# Altium PCB Nuio_LeftKeyboard_Rev_E.PcbDoc (part 2 of 3)
Units mm, origin at the board's own origin, x right, y up, seen from the top; angles counter-clockwise.
Board outline 89.01 x 24.63 mm, 4 copper layers (Top Layer, GND1, GND2, Bottom Layer), stack 0.971 mm thick; 150 components, 103 nets, 610 pads, 449 vias.
Unrouted connection lines stored in the file: 24.
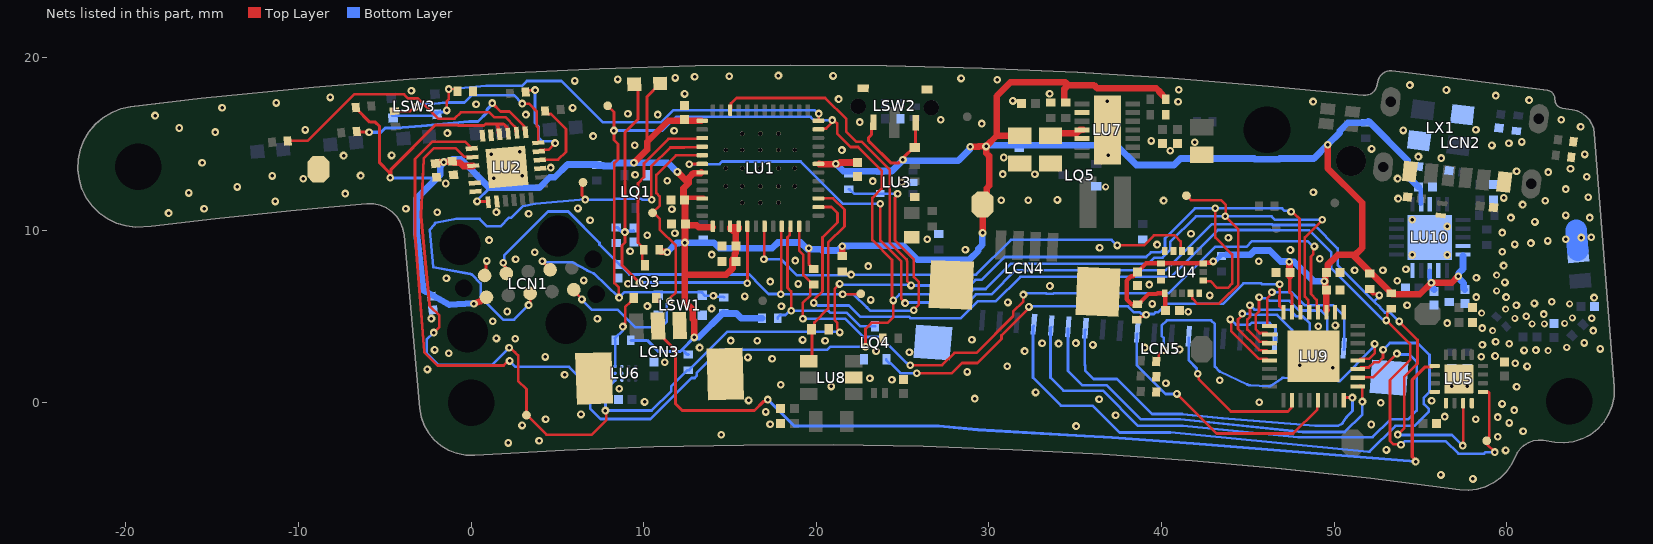
[diagram p4: the nets of this part, all layers, seen from the top]

## Part data (continued)
LR4 LR6 LR16 LR17 LR18 LR20 LR23 LR36 LR38 LR40 LR44 LR46 LR47 LR48: library part CMP-007-0354-15, "±1% 0.063W, 1/16W Chip Resistor 0402 (1005 Metric) Moisture Resistant Thick Film", Case Code (Imperial)=0402, Manufacturer=YAGEO, Manufacturer Part Number=RC0402FR-07100KL, Max Operating Temperature=155°C, Max Power Dissipation=63mW, Min Operating Temperature=-55°C, Resistance Tolerance=1%, Resistor Type="Thick Film", Temperature Coefficient=100ppm/°C, Voltage Rating=50V, Case/Package=0402, Construction=Rectangular, Depth=0.5mm, Features="Moisture Resistant", Height=0.016inch, Lead Free="Lead Free", Length=0.039inch, Military Standard=Not, Power Rating=63mW, Reach SVHC Compliant=No, RoHS Compliant=Yes, Series=RC, Termination=SMD/SMT, Tolerance=1%, Width=0.02inch
LR5 LR8 LR30 LR31 LR32 LR33 LR34 LR35 LR41: library part CMP-007-0405-16, "1k ±1% 0.063W, 1/16W Chip Resistor 0402 (1005 Metric) Moisture Resistant Thick FilmRES 1K OHM 1% 1/16W 0402", Manufacturer=Yageo, Manufacturer Part Number=RC0402FR-071KL, Package (Imperial)=0402, Package (Metric)=1005, Power=63mW, Resistance=1k, Supplier Part Number=311-1.00KLRCT-ND, Temperature Coefficient=100ppm/°C, Tolerance=1%, Composition="Thick Film", Height=400µm, Supplier=Digi-Key, Termination=SMD/SMT, Width=500µm
LR7: library part CMP-00007-24, "RES SMD 220K OHM 1% 1/10W 0402", Max Operating Temperature=155°C, Max Power Dissipation=100mW, Min Operating Temperature=-55°C, Package (Imperial)=0402, Package (Metric)=1005, Package Quantity=1, Power=63mW, Resistance=220k, Temperature Coefficient=100ppm/°C, Tolerance=1%, Voltage Rating=50V, Composition="Thick Film", Contact Plating=Tin, Depth=0.5mm, Features="Automotive AEC-Q200", Height=350µm, Lead Free="Lead Free", Length=1mm, Military Standard=Not, Mount="Surface Mount", Number of Terminations=2, Packaging="Tape and Reel", Power Rating=100mW, Radiation Hardening=No, REACH SVHC="No SVHC", Termination=SMD/SMT, Voltage Rating (DC)=50V, Weight=2.8E-05oz, Width=500µm
LR9 LR25: library part CMP-001-1262-04, "10 kOhms ±1% 0.063W, 1/16W Chip Resistor 0402 (1005 Metric) Anti-Sulfur, Automotive AEC-Q200, Moisture Resistant Thin Film", Case Code (Metric)=1005, Case/Package=0402, Manufacturer=Yageo, Manufacturer Part Number=AT0402FRE0710KL, Max Operating Temperature=155°C, Max Power Dissipation=63mW, Min Operating Temperature=-55°C, Resistance=10k, Supplier Part Number=YAG2104CT-ND, Temperature Coefficient=50ppm/°C, Tolerance=1%, Composition="Thin Film", Features="Moisture Resistant,Automotive AEC-Q200,Anti-Sulfur", Height=0.014inch, Length=0.039inch, Number of Terminations=2, Package (Imperial)=0402, Packaging="Tape and Reel", Supplier=Digi-Key, Width=0.02inch
LR10: library part CMP-001-1735-03, "47.5 kOhms ±1% 0.063W, 1/16W Chip Resistor 0402 (1005 Metric) Moisture Resistant Thick Film", Case Code (Imperial)=0402, Case Code (Metric)=1005, Manufacturer="Panasonic Electronic Components", Manufacturer Part Number=ERA-2ARB6041X, Max Operating Temperature=155°C, Max Power Dissipation=63mW, Min Operating Temperature=-55°C, Power Rating=62.5mW, Resistance=47.5k, Resistance Tolerance=1%, Resistor Type="Thick Film", Temperature Coefficient=100ppm/°C, Voltage Rating=50V, Case/Package=0402, Composition="Thin Film", Construction=Rectangular, Depth=0.5mm, Features="Moisture Resistant", Height=0.016inch, Lead Free="Lead Free", Length=1mm, Military Standard=Not, Number of Terminations=2, Package (Imperial)=0402, Packaging="Tape and Reel", REACH SVHC="No SVHC", RoHS Compliant=Yes, Series=RC, Size Code=0402, Termination=SMD/SMT, Tolerance=1%, Voltage Rating (DC)=50V, Width=0.02inch
LR11 LR12 LR28 LR29 LR39: library part CMP-007-0358-16, "10 kOhms ±1% 0.063W, 1/16W Chip Resistor 0402 (1005 Metric) Thin Film", Max Operating Temperature=155°C, Min Operating Temperature=-55°C, Package (Imperial)=0402, Package (Metric)=1005, Power=63mW, Resistance=10k, Tolerance=1%, Height=400µm, Length=1mm, Termination=SMD/SMT, Width=500µm
LR13: library part CMP-007-0458-14, "RES 3.9K OHM 1% 1/16W 0402", Operating Temperature="-55°C ~ 155°C", Package (Imperial)=0402, Package (Metric)=1005, Power=63mW, Resistance=3.9k, Temperature Coefficient=±100ppm/°C, Tolerance=1%, Height=400µm, Length=1mm, Termination=SMD/SMT
LR14 LR15: library part CMP-007-0525-17, "5.1 kOhms ±1% 0.1W, 1/10W Chip Resistor 0402 (1005 Metric) Automotive AEC-Q200 Thick Film", Manufacturer="Panasonic Electronic Components", Manufacturer Part Number=ERJ-2RKF5101X, Max Operating Temperature=155°C, Max Power Dissipation=100mW, Min Operating Temperature=-55°C, Package (Imperial)=0402, Power=63mW, Resistance=5.1k, Temperature Coefficient=100ppm/°C, Tolerance=1%, Voltage Rating=50V, Composition="Thick Film", Contact Plating=Tin, Depth=0.5mm, Height=350µm, Lead Free="Lead Free", Length=1mm, Military Standard=Not, Mount="Surface Mount", Power Rating=100mW, REACH SVHC="No SVHC", Termination=SMD/SMT, Voltage Rating (DC)=50V, Weight=2.8E-05oz, Width=500µm
LR19: library part CMP-007-0476-14, "330 Ohms ±1% 0.063W, 1/16W Chip Resistor 0402 (1005 Metric) Automotive AEC-Q200 Thick Film", Manufacturer Part Number=RC0402FR-07330RL, Operating Temperature="-55°C ~ 155°C", Package (Imperial)=0402, Package (Metric)=1005, Power=63mW, Resistance=330, Temperature Coefficient=±100ppm/°C, Tolerance=1%, Height=400µm, Length=1mm, Termination=SMD/SMT
LR21: library part CMP-00034-19, "1.8 kOhms ±0.1% 0.063W, 1/16W Chip Resistor 0402 (1005 Metric) Automotive AEC-Q200 Thin Film", Case Code (Imperial)=0402, Manufacturer="Panasonic Electronic Components", Manufacturer Part Number=ERA-2AEB182X, Max Operating Temperature=155°C, Max Power Dissipation=63mW, Min Operating Temperature=-55°C, Resistance Tolerance=0.1%, Resistor Type="Thin Film", Temperature Coefficient=25ppm/°C, Voltage Rating=50V, Voltage Rating (DC)=25V, Case/Package=0402, Construction=Rectangular, Contact Plating=Tin, Depth=0.5mm, Height=0.016inch, Lead Free="Lead Free", Length=0.039inch, Mounting Technology="Surface Mount", Power Rating=63mW, Reach SVHC Compliant=Unknown, RoHS Compliant=Yes, Series=ERA-2A, Termination=SMD/SMT, Tolerance=0.1%, Width=0.02inch
LR22 LR42 LR43 LR45: library part CMP-007-0298-18, "0 Ohms Jumper Chip Resistor 0402 (1005 Metric) Automotive AEC-Q200 Thick Film", Manufacturer="Stackpole Electronics Inc", Manufacturer Part Number=RMCF0402ZT0R00, Operating Temperature="-55°C ~ 155°C", Package (Imperial)=0402, Package (Metric)=1005, Power=63mW, Resistance=0, Tolerance=0%, Height=400µm, Length=1mm, Termination=SMD/SMT
LR24: library part CMP-001-1995-03, "1 MOhms ±1% 0.063W, 1/16W Chip Resistor 0402 (1005 Metric) Moisture Resistant Thick Film", Case/Package=0402, Manufacturer=YAGEO, Manufacturer Part Number=RC0402FR-071ML, Max Operating Temperature=155°C, Max Power Dissipation=63mW, Min Operating Temperature=-55°C, Resistance=1M, Resistance Tolerance=1%, Resistor Type="Thick Film", Temperature Coefficient=100ppm/°C, Voltage Rating=50V, Construction=Rectangular, Depth=0.5mm, Features="Moisture Resistant", Height=0.32mm, Lead Free="Lead Free", Length=1mm, Military Standard=Not, Power Rating=63mW, REACH SVHC=Unknown, RoHS Compliant=Yes, Series=RC, Size Code=0402, Technology="THICK FILM", Termination=SMD/SMT, Tolerance=1%
LR26: library part CMP-001-2304-01, "RES 13 OHM 1% 1/16W 0402", Case Code (Metric)=1005, Case/Package=0402, Max Operating Temperature=155°C, Max Power Dissipation=63mW, Min Operating Temperature=-55°C, Operating Temperature="-55°C ~ 155°C", Power Rating=62.5mW, Temperature Coefficient=100ppm/°C, Tolerance=1%, Height=406.4µm, Length=1mm, Package (Imperial)=0402, Package (Metric)=1005, Power=63mW, Resistance=13, Termination=SMD/SMT, Width=500µm
LR27: library part CMP-001-2044-03, "RES 180K OHM 1% 1/16W 0402", Max Operating Temperature=155°C, Min Operating Temperature=-55°C, Operating Temperature="-55°C ~ 155°C", Package (Imperial)=0402, Package (Metric)=1005, Power=63mW, Temperature Coefficient=100ppm/°C, Tolerance=1%, Height=400µm, Length=1mm, Resistance=180k, Termination=SMD/SMT, Width=500µm
LR37: library part CMP-00080-14, "RES SMD 560 OHM 1% 1/16W 0402", Package (Imperial)=0402, Package (Metric)=1005, Power=63mW, Temperature Coefficient=100ppm/°C, Tolerance=1%, Height=400µm, Length=1mm, Resistance=560, Termination=SMD/SMT
LR49: library part CMP-00082-14, "RES SMD 22K OHM 1% 1/16W 0402", Package (Imperial)=0402, Package (Metric)=1005, Power=63mW, Resistance=22k, Tolerance=1%, Height=400µm, Length=1mm, Termination=SMD/SMT
LSW1 LSW3: library part CMP-00343-02, "2.8x1.9mm Compact Type with Projection Surface Mount SKSV Series Tact Switch", Current Rating="50 mA", Manufacturer="Alps Alpine", Voltage Rating (DC)="12 VDC", Manufacturer Part Number=SKSVCAE010, RoHS Compliant=Yes
LSW2: library part CMP-00359-04, "SWITCH TACTILE SPST-NO 0.05A 12V", Current Rating=50mA, Max Operating Temperature=85°C, Min Operating Temperature=-35°C, Operating Force=160gf, Package Quantity=1, Actuator Length=0.85mm, Actuator Material=Polyphthalamide, Actuator Type=Standard, Contact Material="Stainless Steel,Silver", Contact Plating="Stainless Steel,Silver", Electrical Life=100000Cycles, Mechanical Life=100000Cycles, Mount="Surface Mount", Packaging="Tape and Reel", Series=TL3340, Switch Function=Off-Mom, Switch Travel=0.2mm
LTP1 LTP6 LTP9 LTP11 LTP13: library part CMP-001-0557-04, "Test Point- Current one"
LTP2 LTP3 LTP4 LTP5 LTP7 LTP8 LTP10 LTP12 LTP14 LTP15 LTP16: library part CMP-001-1043-02, "MTK-TP20MIL"
LU1: library part CMP-001-1982-03, "Rx Txrx Mod Wifi Surface Mount", Case/Package=QFN, Frequency=2.5GHz, Manufacturer="Espressif Systems", Max Frequency=40MHz, Max Operating Temperature=85°C, Min Operating Temperature=-40°C, Operating Frequency="2.4 GHz to 2.5 GHz", Operating Supply Voltage=3.6V, Output Power (dBm)=20dBm, Package Quantity=2000, Data Bus Width=32b, Data Rate=150Mbps, Height=0.94mm, Interface=I2C,SPI,I2S,UART, Length=7mm, Manufacturer Part Number=ESP32-PICO-D4, Memory Size=4MB, Memory Type=FLASH, Mount="Surface Mount", Number of ADC Channels=10, RAM Size=520KB, Sensitivity=-97dBm, Series=ESP32, Width=7mm
LU2: library part CMP-001-2127-03, "I/O Expander 16 I²C 400 kHz 24-TQFN (4x4)", Frequency=400kHz, Max Operating Temperature=85°C, Min Operating Temperature=-40°C, Interface=I2C, Mounting Technology="Surface Mount", Number of I/Os=16, Packaging="Cut Tape", RoHS Compliant=Yes, Series=-
LU3: library part CMP-001-2183-02, "LMV Series 5 V 1 nA SMT Single General Purpose, Low Voltage Comparator - SC-70", Case/Package=SC, Input Bias Current=1nA, Input Offset Voltage (Vos)=9mV, Manufacturer=onsemi, Max Operating Temperature=85°C, Max Supply Current=120uA, Max Supply Voltage=5V, Min Operating Temperature=-40°C, Min Supply Voltage=2.7V, Natural Thermal Resistance=280°C/W, Operating Supply Voltage=3V, Output Current=84mA, Package Quantity=3000, Quiescent Current=150uA, Voltage Gain=93.98dB, Halogen Free="Halogen Free", Height=1mm, Lead Free="Lead Free", Length=2.2mm, Manufacturer Part Number=LMV331SQ3T2G, Max Input Current=1nA, Number of Channels=1, Number of Elements=1, Packaging="Tape and Reel", Pins=5, Propagation Delay=1.5us, Radiation Hardening=No, Reach SVHC Compliant=No, RoHS Compliant=Yes, Series=-, Supply Current=120uA, Technology=CMOS, Type="General Purpose", Width=1.35mm
LU4: library part CMP-010-0047-05, "3-Axis Accelerometer", Case/Package=LGA, Manufacturer=STMicro, Max Operating Temperature=85°C, Max Supply Voltage=3.6V, Min Operating Temperature=-40°C, Min Supply Voltage=1.71V, MPN=LIS3DSH, Operating Supply Current=11uA, Operating Supply Voltage=2.5V, Package Quantity=1, Axis="X, Y, Z", Bandwidth=5kHz, Component Name=LIS3DHTR, Contact Plating=Gold, Depth=3mm, Height=1mm, Interface=I2C,SPI, Lead Free="Lead Free", Length=3mm, Max Supply Voltage (DC)=3.6V, Min Supply Voltage (DC)=1.71V, Number of Pins=16, Output Type=Digital, Packaging="Tape and Reel", Pin Count=16, Radiation Hardening=No, REACH SVHC="No SVHC", Resolution=16b, RoHS Compliant=Yes, Sensor Type="3 Axis", Series=-, Width=3mm
LU5: library part CMP-001-1983-03, "USB Friendly 0.5A Li-ion charger with power-Path, 10.5V OVP 16-VQFN -5 to 125", Battery Pack Voltage=4.2V, Case/Package=QFN, Manufacturer="Texas Instruments", Max Charge Current=500mA, Max Operating Temperature=125°C, Max Supply Voltage=10.2V, Min Operating Temperature=-5°C, Battery Chemistry=LITHIUM-ION, Fault Protection="Over Voltage,Over Temperature,Short Circuit,Reverse Current", Interface=USB, Lead Free="Lead Free", Manufacturer Part Number=BQ24232HARGTR, Mount="Surface Mount", Number of Cells=1, Packaging="Cut Tape", RoHS Compliant=Yes, Series=-
LU6: library part CMP-001-1998-02, "IC FUEL GAUGE LI-ION 1C 12WLCSP", Manufacturer=onsemi, Max Operating Temperature=85°C, Min Operating Temperature=-40°C, Interface=I2C, Manufacturer Part Number=LC709204FXE-01TBG, Mount="Surface Mount", Number of Cells=1
LU7: library part CMP-00353-03, "IC REG BCK BST ADJ 4A 14WDFN", Manufacturer="Richtek USA Inc.", Max Input Voltage=5.5V, Max Operating Temperature=85°C, Min Input Voltage=1.8V, Min Operating Temperature=-40°C, Output Current=4A, Switching Frequency=2.4MHz, Manufacturer Part Number=RT6154AGQW, ManufacturerPartNumbers=RT6154AGQW, Max Output Voltage=5.5V, Min Output Voltage=1.8V, Mount="Surface Mount", Number of Outputs=1, Number of Pins=14, Output Configuration=Positive, Output Type=Adjustable, REACH SVHC="No SVHC", RoHS Compliant=Yes, Synchronous Rectifier=Yes, Topology=Buck-Boost
LU8: library part CMP-001-2111-02, "IC LED DRVR RGLTR PWM TSOT23-6", Case/Package=SOT-23-6, Frequency=1.1MHz, Max Operating Temperature=85°C, Max Supply Voltage=5.5V, Min Operating Temperature=-40°C, Output Current per Channel=1.2A, Output Voltage=36.5V, Dimming=PWM, Mounting Technology="Surface Mount", Number of Outputs=1, Packaging="Cut Tape", Topology=Boost
LU9: library part CMP-001-2076-03, "Ultra low-voltage translating 24-bit Fm+ I²C-bus/SMBus I/O expander", Frequency=1MHz, Max Operating Temperature=85°C, Min Operating Temperature=-40°C, Interface=I2C, Mount="Surface Mount", Number of I/Os=24, Packaging="Tape and Reel", RoHS Compliant=Yes, Series=-
LU10: library part CMP-001-1993-05, "IC RF TXRX ISM>1GHZ 20VFQFN", Case/Package=QFN, Current - Receiving=13.5mA, Current - Transmitting=11.3mA, Frequency=2.4GHz, Manufacturer="Nordic Semiconductor ASA", Max Operating Temperature=85°C, Max Supply Voltage=3.6V, Min Operating Temperature=-40°C, Output Power (dBm)=0dBm, Package Quantity=1500, Data Rate=2Mbps, Depth=4mm, Interface=SPI, Length=4mm, Manufacturer Part Number=NRF24L01P-R7, Mount="Surface Mount", Packaging="Tape and Reel", Sensitivity=-94dBm, Series=-
LX1: library part CMP-001-2112-01, "CRYSTAL 16.0000MHZ 12PF SMD", Frequency=16MHz, Frequency Stability=+-30ppm, Frequency Tolerance=+-25ppm, Load Capacitance=12pF, Manufacturer="ECS Inc.", Package/Case=4-SMD, ESR="80 Ohms", Height=0.8mm, Manufacturer Part Number=ECS-160-12-33-AGN-TR3

## Free pads (board coordinates)
  round 2.2 hole 2.7: 1(-19.287,13.671) 1(0,0) 1(46.108,15.804) 1(63.611,0.079)
  round 1.75 hole 1.75 unplated: 1(50.98,14.007)

## Via types
v1: diameter 0.45, hole 0.203, Top Layer to Bottom Layer, tented both sides, 435 vias
v2: diameter 0.406, hole 0.203, Top Layer to Bottom Layer, tented both sides, 14 vias

## Nets (pads, with @x,y where several pads share a name; then routed paths per layer and width w, separated by ;. In a path a pad name is that pad's centre, name@x,y a point inside that pad or via, vN(x,y) a via of type N, cw(c..) or ccw(c..) an arc to the next point about the centre after c; other vN are vias at no path point)
3V3: LC1.1 LC2.1 LC3.1 LC4.1 LC5.1 LC6.1 LC8.1 LC9.1 LC11.1 LC13.1 LC14.1 LC30.1 LC31.1 LC33.1 LC34.1 LC35.1 LC36.1 LC37.1 LC38.1 LCN1.1 LQ2.1 LR1.1 LR2.1 LR3.1 LR4.1 LR6.1 LR9.1 LR11.2 LR12.1 LR16.1 LR17.2 LR18.2 LR20.1 LR23.1 LR24.1 LR29.1 LR38.1 LR39.1 LR40.1 LR44.1 LR47.1 LSW2.1 LSW2.3 LTP6.1 LU1.1 LU1.3 LU1.4 LU1.19 LU1.37 LU1.43 LU1.46 LU2.1 LU2.15 LU2.16 LU2.21 LU3.5 LU4.1 LU4.8 LU4.14 LU7.4 LU7.5 LU9.27 LU9.31 LU10.7 LU10.15 LU10.18 | length 223.5
  Top Layer w0.178: LR29.1@-6.671,17.106 -6.671,17.06 -5.867,16.256 -5.549,16.256 -5.295,16.002 -5.295,13.901 -4.726,13.332 -4.726,13.08 v1(-4.682,13.036) -4.633,13.085 -4.633,13.528 -2.068,16.093 -0.796,16.093 -0.767,16.063 0.751,16.063 0.838,16.15 1.524,16.15 ; v1(0.343,11.666) 0.943,11.666 LU2.1@0.994,11.615 ; LU2.16@1.653,15.548 1.572,15.629 1.572,15.959 1.524,16.007 1.524,16.15 ; LU2.15@2.152,15.592 2.081,15.847 2.07,15.964 1.884,16.15 1.524,16.15 ; 10.199,15.116 10.199,17.745 LQ2.1@10.948,18.494 ; v1(19.567,8.947) 19.567,8.031 19.665,7.933 19.665,7.883 19.801,7.747 LR39.1@19.851,7.747 ; LSW2.3@23.305,16.252 23.199,16.146 23.199,15.533 23.027,15.361 23.027,15.173 23.131,15.069 23.143,15.069 24.31,13.901 24.777,13.901 24.951,14.075 v1(25.017,14.075) ; v1@25.069,14.216 25.643,14.79 LR9.1@25.693,14.79 25.75,14.848 25.75,16.205 LSW2.1@25.755,16.21 ; LC35.1@47.429,7.297 47.429,6.406 47.553,6.282 LU9.31@47.553,5.262
  Top Layer w0.254: LC2.1@12.391,11.869 LU1.46@13.478,11.869 ; LU4.1@40.187,6.335 LU4.1@40.181,6.341 ; LC14.1@40.24,5.334 40.213,5.361 40.213,6.32 LU4.1@40.187,6.347 LU4.1@40.181,6.341 ; v1(42.993,8.19) 42.94,8.19 42.866,8.115 42.455,8.115 LU4.8@42.412,8.072 LU4.14@39.962,8.072 39.099,8.072 38.349,7.322 38.234,7.322 37.975,7.063 37.975,5.989 38.249,5.715 38.659,5.715 39.242,6.298 39.73,6.298 39.773,6.341 LU4.1@40.181,6.341
  Top Layer w0.381: LC9.1@-2.067,13.86 -2,13.927 -1.595,13.927 v1(-1.582,13.94) -1.568,13.954 -1.127,13.954 LC8.1@-1.084,13.996 -0.993,13.905 -0.649,13.905 -0.457,13.713 0.111,13.713 LU2.21@0.126,13.728 ; v1(0.168,5.74) LCN1.1@0.566,5.892 ; v1(9.437,13.901) 10.204,14.668 10.204,15.116 11.425,16.337 LU1.37@13.338,16.337 ; LR20.1@10.901,8.864 10.901,8.814 10.935,8.78 10.985,8.78 11.028,8.737 11.342,8.737 v1(11.355,8.724) ; v1(11.951,13.37) 12.6,12.721 ; LC2.1@12.307,11.812 12.307,12.428 12.612,12.732 12.612,13.029 12.89,13.307 13.308,13.307 LU1.43@13.338,13.337 ; LC2.1@12.391,11.742 12.391,9.285 v1(12.386,9.28) 12.386,7.424 ; LC1.1@12.49,10.274 13.075,10.274 13.178,10.171 LU1.1@14.004,10.171 ; v1(12.928,3.787) 12.928,4.754 12.849,4.833 12.849,5.381 12.386,5.844 12.386,7.424 ; 15.235,9.902 15.119,10.018 15.067,10.018 15.004,10.082 15.004,10.171 LU1.4@15.504,10.171 ; 15.342,9.795 LC4.1@15.342,9.074 15.342,8.693 15.272,8.623 15.272,8.418 15.145,8.291 15.145,7.783 14.786,7.424 12.386,7.424 ; 15.342,9.92 LU1.4@15.504,10.082 ; LU1.19@20.17,13.837 20.184,13.823 21.273,13.823 21.371,13.92 LC5.1@22.391,13.92 ; LR12.1@21.502,8.509 v1(21.502,9.067) ; v1(28.917,14.827) 28.93,14.84 29.396,14.84 29.421,14.865 29.823,14.865 v1(29.836,14.851) ; LTP6.1@29.266,11.63 LTP6.1@29.281,11.615 ; v1(29.63,9.837) 29.63,11.234 29.868,11.473 29.868,12.424 30.011,12.566 30.011,14.297 29.85,14.458 29.85,14.838 v1(29.836,14.851) ; LC30.1@31.339,15.67 31.304,15.635 31.304,15.463 30.448,15.463 ; LC31.1@33.567,15.463 33.722,15.618 35.082,15.618 35.27,15.806 LU7.4@35.464,15.806 ; LR24.1@34.456,17.399 34.406,17.399 34.371,17.434 34.371,18.18 34.594,18.403 ; LR23.1@40.24,17.584 40.205,17.619 40.205,17.669 39.908,17.966 39.908,18.001 39.688,18.221 36.264,18.221 36.082,18.403 34.594,18.403 ; v1(47.398,8.17) 47.411,8.157 47.411,7.568 LC35.1@47.429,7.551 LC35.1@47.429,7.297 ; v1@49.434,7.048 49.48,7.093 LC34.1@49.48,7.482 ; v1@49.48,6.988 49.48,6.605 LC33.1@49.55,6.535 ; LC34.1@49.55,7.551 49.619,7.621 49.619,7.983 50.204,8.567 51.093,8.567 53.379,6.281 54.955,6.281 v1(55.631,6.957) 56.808,6.957 57.175,7.324 v1(57.193,7.324) ; LC33.1@49.553,6.532 49.553,5.379 LU9.27@49.557,5.375 ; v1(49.622,14.943) 49.622,13.587 51.621,11.588 51.621,8.968 51.156,8.504 ; v1(29.836,14.851) 30.448,15.463 ; 30.448,15.463 30.448,17.768 31.245,18.564 34.433,18.564 34.594,18.403
  Bottom Layer w0.178: v1(-4.682,13.036) -4.666,13.02 -1.973,13.02 ; v1(0.343,11.666) 0.343,11.714 1.073,12.444 ; LR16.1@9.252,3.614 10.199,3.614 10.834,2.979 12.12,2.979 12.188,3.046 ; LR2.1@12.579,2.788 12.529,2.788 12.271,3.046 12.188,3.046 ; v1(12.928,3.787) 12.188,3.046
  Bottom Layer w0.254: v1(42.993,8.19) 43.031,8.227 43.141,8.227 LR11.2@43.423,8.509 ; LR11.2@43.417,8.567 43.761,8.567 ; LC37.1@54.884,12.504 55.006,12.382 LU10.7@55.006,11.515 ; LU10.18@55.538,7.658 55.54,7.656 55.54,7.102 55.631,7.01 v1(55.631,6.957)
  Bottom Layer w0.381: v1(0.168,5.74) 0.137,5.767 -1.277,5.672 -2.598,6.424 -2.614,6.433 -2.779,6.527 -3.162,9.849 -3.162,11.831 -1.973,13.02 -1.78,13.213 -1.78,13.724 -1.582,13.922 v1(-1.582,13.94) -1.568,13.954 -1.227,13.954 -1.069,14.112 -0.595,14.112 1.073,12.444 3.945,12.444 4.558,13.058 4.845,13.058 5.588,13.801 LR6.1@7.266,13.801 ; LR6.1@7.288,13.779 7.322,13.744 7.647,13.744 7.677,13.714 8.148,13.714 8.322,13.888 v1@9.423,13.888 ; v1@9.469,13.901 11.402,13.901 11.933,13.37 v1(11.951,13.37) ; v1(11.355,8.724) 11.365,8.714 11.905,9.255 12.046,9.255 12.071,9.28 v1(12.386,9.28) 14.058,9.28 14.39,8.948 17.438,8.948 17.772,9.283 19.089,9.283 19.481,8.89 20.232,8.89 ; v1(12.928,3.787) 12.941,3.8 13.194,3.8 14.598,5.204 LR1.1@14.648,5.204 ; LR1.1@14.648,5.17 15.374,5.17 15.66,4.884 LR38.1@16.861,4.884 ; 20.357,8.821 21.237,8.821 21.483,9.067 v1(21.502,9.067) 21.515,9.08 21.861,9.08 21.883,9.102 25.031,9.102 25.839,8.294 28.872,8.294 29.376,8.798 29.376,8.906 29.616,9.147 29.616,9.824 v1(29.63,9.837) ; v1(21.123,13.84) 21.142,13.84 21.574,13.408 23.752,13.408 23.767,13.424 24.382,13.424 v1@24.987,14.028 ; v1@25.017,14.028 28.233,14.028 28.904,14.699 28.904,14.813 v1(28.917,14.827) ; v1(29.836,14.851) 29.855,14.851 29.926,14.922 37.398,14.922 38.546,13.774 40.721,13.774 41.095,14.148 45.369,14.148 45.407,14.111 46.809,14.111 46.847,14.148 48.828,14.148 v1(49.622,14.943) 50.329,15.65 50.329,15.759 50.791,16.221 51.751,16.221 51.786,16.256 LR47.1@51.92,16.256 ; 43.761,8.567 45.124,8.567 45.378,8.821 46.267,8.821 46.904,8.183 47.385,8.183 v1(47.398,8.17) 47.411,8.157 47.693,8.157 48.804,7.046 49.43,7.046 v1(49.434,7.041) ; LR47.1@51.982,16.317 54.254,14.045 54.254,13.134 LC37.1@54.884,12.504 ; v1(55.631,6.957) 55.631,6.938 55.722,6.847 55.722,6.624 LC38.1@55.792,6.554 ; LU10.15@57.465,8.518 57.465,7.756 57.207,7.498 57.207,7.337 v1(57.193,7.324) 57.207,7.311 57.207,7.228 57.5,6.934 57.5,6.624 LC36.1@57.57,6.554
ACC_INT: LR12.2 LU1.7 LU4.11 | length 28.9
  Top Layer w0.152: v1(16.968,8.309) 16.986,8.327 16.986,10.153 LU1.7@17.004,10.171 ; LR12.2@21.502,7.609 21.63,7.481 21.953,7.481 v1(22.01,7.424) ; v1(37.429,9.115) 38.995,9.115 39.547,9.667 ; 39.547,9.695 40.767,9.695 41.108,9.354 41.108,8.876 LU4.11@41.187,8.797
  Bottom Layer w0.152: v1(16.968,8.309) 16.972,8.313 17.946,8.313 18.881,7.377 21.963,7.377 v1(22.01,7.424) 29.249,7.424 31.267,9.442 37.102,9.442 v1(37.429,9.115)
BACKLIGHT_CTRL: LR25.1 LU1.15 LU8.4 | length 11.5
  Top Layer w0.152: LU8.4@19.492,2.305 19.502,2.305 19.75,2.554 19.75,4.249 19.881,4.38 19.881,4.66 20.682,5.462 20.682,9.272 21.629,10.218 21.629,11.189 20.98,11.837 LU1.15@20.17,11.837
BAT_CHG: LR18.1 LTP2.1 LU1.14 LU5.9 | length 64.8
  Top Layer w0.152: v1(19.85,5.781) 19.907,5.838 19.907,6.006 20.36,6.459 20.36,9.584 21.226,10.45 21.226,10.987 20.876,11.337 LU1.14@20.17,11.337 ; v1(53.021,4.772) 53.078,4.829 53.078,5.205 53.121,5.248 53.121,5.298 53.27,5.447 LR18.1@53.32,5.447 ; v1@53.035,4.772 54.407,3.4 54.407,2.483 53.234,1.311 53.234,-2.211 53.418,-2.394 53.839,-2.394 v1(53.872,-2.427) ; LU5.9@58.699,0.628 58.92,0.628 58.984,0.564 58.984,-1.984 58.831,-2.137 58.831,-2.384 v1(59.304,-2.857)
  Bottom Layer w0.152: v1(19.85,5.781) 19.93,5.781 20.078,5.633 21.896,5.633 22.555,4.974 25.385,4.974 25.457,4.902 28.378,4.902 29.346,5.87 30.392,5.87 31.819,7.297 40.552,7.297 43.264,10.009 46.306,10.009 46.326,9.989 48.561,9.989 49.823,8.728 49.823,7.805 52.799,4.829 52.964,4.829 v1(53.021,4.772) ; v1(53.872,-2.427) 53.911,-2.427 54.11,-2.228 56.464,-2.228 57.189,-2.953 58.681,-2.953 58.777,-2.857 v1(59.304,-2.857)
BAT_PGOOD: LR17.1 LU1.42 LU5.7 | length 67.4
  Top Layer w0.152: v1(12.639,13.822) 12.646,13.829 13.33,13.829 LU1.42@13.338,13.837 ; v1(23.709,11.526) 23.709,9.394 24.931,8.173 24.931,6.015 25.143,5.803 v1(25.143,5.777) ; LR17.1@52.08,6.45 52.229,6.301 v1@52.444,6.301 ; v1(53.688,-1.846) 54.07,-1.465 54.07,1.511 54.826,2.268 54.826,3.646 v1(53.764,4.708) ; v1(57.443,-2.482) 57.474,-2.451 LU5.7@57.474,-0.097
  Bottom Layer w0.152: v1(12.639,13.822) 14.389,13.822 14.544,13.977 19.089,13.977 21.54,11.526 v1(23.709,11.526) ; v1(25.143,5.777) 25.175,5.809 28.777,5.809 29.249,6.281 30.138,6.281 31.535,7.678 40.248,7.678 42.901,10.331 46.416,10.331 46.452,10.294 48.857,10.294 50.204,8.948 50.204,7.973 52.32,5.857 ; v1(52.612,6.214) 52.612,6.149 52.32,5.857 ; v1(53.688,-1.846) 53.711,-1.869 56.83,-1.869 v1(57.443,-2.482) ; v1(53.764,4.708) 53.24,5.232 52.936,5.232 52.671,5.498 52.671,5.506 52.32,5.857
BATCAP_SW: LR36.1 LSW3.1 LSW3.2 LU1.24 | length 28.5
  Top Layer w0.152: v1(-1.407,16.936) -1.407,17.467 -1.29,17.584 v1(-1.29,18.172) -0.953,18.201 LR36.1@-0.791,18.053 ; v1(20.135,16.75) 20.135,16.372 LU1.24@20.17,16.337
  Bottom Layer w0.152: LSW3.1@-4.575,16.625 -2.257,16.625 -2.06,16.822 LSW3.2@-1.986,16.822 ; LSW3.2@-1.986,16.721 -1.863,16.844 -1.499,16.844 v1(-1.407,16.936) ; v1(-1.29,18.172) 0.885,18.355 2.947,18.355 3.234,18.642 5.227,18.642 7.628,16.24 11.014,16.24 11.723,16.949 19.897,16.949 20.096,16.75 v1(20.135,16.75)
BATT_THERM: LCN3.2 LU5.1 | length 55.3
  Top Layer w0.178: LCN3.2@10.83,4.437 10.83,4.051 11.85,3.031 11.85,-0.069 12.231,-0.45 16.422,-0.45 16.95,0.079 17.004,0.079 17.11,0.185 v1(17.184,0.185) ; v1(54.719,-3.406) 54.719,-3.333 54.522,-3.136 54.522,1.328 55.271,2.077 55.698,2.077 LU5.1@55.749,2.128
  Bottom Layer w0.178: v1(17.184,0.185) 18.708,-1.339 27.081,-1.339 cw(c27.081,-1.517) 27.098,-1.34 29.357,-1.566 35.55,-1.925 36.635,-1.983 cw(c36.583,-2.985) 36.655,-1.984 37.129,-2.018 41.841,-2.355 cw(c41.77,-3.356) 41.847,-2.356 ; 41.848,-2.356 41.854,-2.356 v1(54.719,-3.406)
CAP_LED1: LR30.2 LU2.14 | length 15.8
  Top Layer w0.152: LR30.2@-10.629,15.171 -9.467,15.171 -6.772,17.866 -3.884,17.866 -3.646,17.627 -3.076,17.627 -1.904,16.455 -0.964,16.455 -0.596,16.822 1.055,16.822 1.335,16.542 1.994,16.542 2.556,15.98 2.556,15.729 LU2.14@2.65,15.635
CAP_LED2: LR31.2 LU2.13 | length 11.3
  Top Layer w0.178: LR31.2@-6.625,15.718 -6.6,15.693 -5.93,15.693 v1(-5.909,15.672) ; v1(1.22,17.358) 1.703,16.874 2.221,16.874 3.067,16.029 3.067,15.76 LU2.13@3.148,15.679
  Bottom Layer w0.178: v1(-5.909,15.672) -5.222,15.672 -4.988,15.906 -4.371,15.906 -2.877,16.037 -0.113,16.293 0.398,16.293 0.931,16.826 0.931,16.996 1.22,17.285 v1(1.22,17.358)
CAP_LED3: LR32.2 LU2.12 | length 10.9
  Top Layer w0.152: LR32.2@-4.446,16.889 -3.534,16.889 -3.297,17.126 v1(-3.216,17.126) v1@-3.216,17.057 ; v1(2.96,17.33) 3.341,17.33 3.813,16.858 3.813,16.024 3.884,15.952 LU2.12@3.884,15.061
  Bottom Layer w0.152: v1(-3.216,17.126) -3.148,17.126 -2.944,17.33 -2.148,17.33 -2.141,17.331 -1.428,17.393 -1.415,17.394 -0.383,17.394 0.041,17.818 2.472,17.818 v1(2.96,17.33)
CAP_LED4: LR33.2 LU2.11 | length 5.7
  Top Layer w0.152: LR33.2@3.154,18.004 3.263,18.113 v1(3.705,18.113) ; LU2.11@3.928,14.562 4.022,14.656 4.477,14.656 v1(4.865,15.044)
  Bottom Layer w0.152: v1(3.705,18.113) 3.705,16.203 3.906,16.003 3.906,15.363 4.11,15.159 4.75,15.159 v1(4.865,15.044)
CAP_LED5: LR34.2 LU2.10 | length 4.7
  Top Layer w0.152: LU2.10@3.972,14.064 3.99,14.083 5.046,14.083 5.5,14.536 5.5,15.858 4.629,16.728 4.461,16.728 4.289,16.9 LR34.2@4.289,16.91
CAPS_LED: LR41.2 LU9.20 | length 20.3
  Top Layer w0.152: LR41.2@39.693,2.392 39.828,2.528 39.828,2.753 v1(40.128,3.052) ; LU9.20@51.457,2.475 51.52,2.538 52.007,2.538 52.36,2.891 52.36,3.384 v1(52.339,3.404)
  Bottom Layer w0.152: v1@40.128,3.044 40.132,3.048 v1(40.128,3.052) 40.128,3.741 40.009,3.86 40.009,4.468 40.313,4.772 42.869,4.772 43.092,4.55 43.092,2.089 43.371,1.81 44.957,1.058 ccw(c45.151,1.468) 45.116,1.016 ccw(c45.151,1.468) 45.123,1.015 45.124,1.015 46.216,0.95 ccw(c46.225,1.102) 46.309,0.975 46.986,1.426 cw(c47.07,1.3) 47.079,1.452 49.742,1.301 cw(c49.716,0.848) 49.757,1.299 50.236,1.256 50.313,1.256 50.357,1.3 52.232,3.175 52.232,3.217 52.339,3.324 v1(52.339,3.404)
COL0: LCN5.13 LU9.13 | length 15
  Top Layer w0.152: v1(40.894,0.508) 43.18,-1.778 47.621,-1.778 49.02,-0.379 49.02,0.111 LU9.13@49.057,0.148
  Bottom Layer w0.152: LCN5.13@38.587,3.988 38.553,3.953 38.553,2.184 40.229,0.508 v1(40.894,0.508)
COL1: LCN5.19 LU9.19 | length 37
  Top Layer w0.152: LU9.19@51.457,1.975 51.525,2.044 51.994,2.044 52.294,2.344 52.56,2.344 52.826,2.61 52.826,3.054 v1(52.836,3.064)
  Bottom Layer w0.152: LCN5.19@32.605,4.45 32.551,4.395 32.551,1.455 34.173,-0.167 36.008,-0.167 37.561,-1.72 40.511,-1.72 51.979,-2.83 52.05,-2.83 53.541,-1.339 54.649,-1.339 55.488,-0.5 55.488,-0.373 55.191,-0.076 55.191,0.299 55.52,0.629 55.52,2.778 54.84,3.458 53.23,3.458 v1(52.836,3.064)
COL2: LCN5.18 LU9.18 | length 32.9
  Top Layer w0.152: LU9.18@51.457,1.475 52.256,1.475 v1(53.633,2.852)
  Bottom Layer w0.152: LCN5.18@33.602,4.373 33.568,4.338 33.568,1.454 34.322,0.7 36.605,0.7 38.644,-1.339 41.226,-1.339 47.931,-1.999 52.222,-1.999 53.263,-0.958 54.268,-0.958 54.776,-0.45 54.776,2.397 54.377,2.795 53.69,2.795 v1(53.633,2.852)
COL3: LCN5.17 LU9.17 | length 22.9
  Top Layer w0.152: LU9.17@51.457,0.975 51.569,0.975 51.637,0.906 v1(51.637,0.068)
  Bottom Layer w0.152: LCN5.17@34.599,4.296 34.583,4.279 34.583,1.836 35.397,1.022 36.816,1.022 38.796,-0.958 41.071,-0.958 41.079,-0.959 48.184,-1.694 50.611,-1.694 51.637,-0.667 v1(51.637,0.068)
COL4: LCN5.16 LU9.16 | length 20.8
  Top Layer w0.152: LU9.16@50.557,0.075 50.557,0.234 50.625,0.303 v1(51.057,0.303)
  Bottom Layer w0.152: LCN5.16@35.596,4.219 35.56,4.183 35.56,2.19 35.588,2.162 35.588,1.846 36.061,1.374 37.423,1.374 39.45,-0.653 41.197,-0.653 41.21,-0.666 43.53,-0.906 48.908,-1.325 ccw(c48.961,-1.182) 48.919,-1.329 ccw(c48.961,-1.182) 48.959,-1.335 50.167,-1.339 ; 50.168,-1.339 ccw(c50.168,-1.186) 50.237,-1.323 50.421,-1.23 ccw(c50.353,-1.094) 50.48,-1.179 50.712,-0.831 51.062,-0.48 51.062,0.297 v1(51.057,0.303)
COL5: LCN5.2 LU9.2 | length 9
  Top Layer w0.152: v1(45.648,6.105) 45.648,5.293 45.462,5.106 45.462,4.252 45.67,4.044 46.088,4.044 LU9.2@46.157,3.975
  Bottom Layer w0.152: v1(45.648,6.105) 45.702,6.052 46.102,6.052 46.254,5.9 47.41,5.9 47.968,5.341 49.238,5.341 49.589,4.99 49.589,3.175 LCN5.2@49.555,3.14
COL6: LCN5.3 LU9.3 | length 8.3
  Top Layer w0.152: v1(45.124,5.646) 45.124,4.976 44.975,4.828 44.975,4.238 45.67,3.544 46.088,3.544 LU9.3@46.157,3.475
  Bottom Layer w0.152: v1(45.124,5.646) 45.378,5.392 47.41,5.392 47.791,5.011 48.172,5.011 48.592,4.59 48.592,3.252 LCN5.3@48.558,3.217
COL9: LCN5.5 LU9.5 | length 7.4
  Top Layer w0.152: v1(43.978,4.826) 44.035,4.769 44.035,4.146 45.637,2.544 46.088,2.544 LU9.5@46.157,2.475
  Bottom Layer w0.152: v1(43.978,4.826) 44.006,4.826 44.313,4.519 45.107,4.519 45.218,4.63 46.267,4.63 46.598,4.299 46.598,3.406 LCN5.5@46.564,3.371
COL11: LCN5.1 LU9.1 | length 9
  Top Layer w0.152: LU9.1@46.157,4.475 46.157,4.505 46.118,4.544 46.118,6.051 46.391,6.324 v1(46.391,6.404)
  Bottom Layer w0.152: v1@46.54,6.461 46.448,6.461 v1(46.391,6.404) 47.54,6.404 48.299,5.646 49.95,5.646 50.586,5.009 50.586,3.098 LCN5.1@50.552,3.063
COL15: LCN5.10 LU9.10 | length 9.3
  Top Layer w0.152: v1(42.09,1.678) 42.147,1.621 42.147,1.363 44.015,-0.506 47.321,-0.506 47.513,-0.314 47.513,0.104 LU9.10@47.557,0.148
  Bottom Layer w0.152: LCN5.10@41.578,3.757 41.578,2.454 42.033,1.999 42.033,1.735 v1(42.09,1.678)
COL16: LCN5.4 LU9.4 | length 7.5
  Top Layer w0.152: v1(44.67,5.164) 44.613,5.107 44.613,5.009 44.431,4.827 44.431,4.282 45.67,3.044 46.088,3.044 LU9.4@46.157,2.975
  Bottom Layer w0.152: v1(44.67,5.164) 45.175,5.164 45.251,5.087 46.698,5.087 47.561,4.225 LCN5.4@47.561,3.294
ESP_EN: LC7.2 LCN1.9 LR3.2 LTP16.1 LU1.9 LU3.4 | length 43.5
  Top Layer w0.152: v1(1.86,8.115) 1.917,8.058 1.917,7.928 1.995,7.85 LCN1.9@1.995,7.79 ; v1(17.946,6.281) 17.975,6.31 17.975,10.167 LU1.9@17.973,10.169 ; v1(21.518,6.281) 22.547,6.281 LTP16.1@22.576,6.311 ; v1(24.707,12.11) 24.707,12.03 24.562,11.884 24.562,9.404 25.654,8.312 25.654,7.271 25.943,6.982 25.943,5.699 25.644,5.4 v1(25.644,5.356)
  Bottom Layer w0.152: v1(1.86,8.115) 1.917,8.172 1.917,8.538 4.455,11.077 5.629,11.077 7.44,9.265 7.44,9.154 9.164,7.43 16.131,7.43 16.457,7.104 16.457,7.073 17.233,6.297 17.93,6.297 v1(17.946,6.281) v1(21.518,6.281) 22.167,6.281 22.931,5.517 22.949,5.517 23.144,5.323 25.331,5.323 25.335,5.328 25.617,5.328 v1(25.644,5.356) ; LR3.2@21.883,12.366 21.933,12.366 22.191,12.108 23.752,12.108 23.754,12.111 v1(24.707,12.11)
ESP_RX: LCN1.3 LTP4.1 LU1.40 | length 30.2
  Top Layer w0.152: v1(3.333,5.659) 3.333,5.728 3.437,5.831 LCN1.3@3.437,5.993 ; LTP4.1@6.427,12.65 6.427,12.005 6.612,11.82 v1(6.612,11.767) ; v1(10.472,11.764) 10.431,11.805 10.431,13.678 11.544,14.79 12.356,14.79 12.359,14.793 13.294,14.793 LU1.40@13.338,14.837
  Bottom Layer w0.152: v1@3.305,5.687 v1(3.333,5.659) 2.489,4.815 1.861,4.815 0.55,6.126 0.55,6.913 0.044,7.419 0.01,7.452 -0.036,7.461 -2.189,7.853 -2.405,10.017 -2.113,10.338 -2.113,10.377 -2.07,10.42 -0.849,10.654 0.491,10.654 0.928,10.218 1.69,10.218 2.192,10.721 2.33,10.721 3.003,11.393 3.718,11.53 6.61,11.784 6.631,11.764 8.282,11.764 8.333,11.815 9.865,11.815 9.916,11.764 v1(10.472,11.764)
ESP_TX: LCN1.5 LTP7.1 LU1.41 | length 18.8
  Top Layer w0.152: LCN1.5@6.152,6.269 6.152,6.263 6.424,5.992 v1(6.424,5.989) ; v1(11.509,5.885) 11.566,5.942 11.566,6.093 11.86,6.387 11.86,9.111 10.922,10.049 10.922,10.668 10.591,10.999 LTP7.1@10.513,10.999 10.552,11.038 10.926,11.412 10.926,11.952 10.736,12.142 10.736,13.207 11.866,14.337 13.338,14.337 LU1.41@13.293,14.292
  Bottom Layer w0.152: v1(6.424,5.989) 6.424,5.95 6.982,5.392 8.484,5.392 9.5,4.376 10.961,4.376 11.137,4.552 11.198,4.552 11.332,4.686 11.332,5.707 v1(11.509,5.885)
EXP_INT: LQ4.3 LR38.2 LU1.10 | length 11.2
  Top Layer w0.152: LU1.10@18.504,10.171 18.453,10.12 18.453,9.71 18.327,9.583 18.327,6.662 18.542,6.447 v1(18.542,5.334)
  Bottom Layer w0.152: LR38.2@17.761,4.884 17.761,4.934 17.909,5.083 18.21,5.083 18.461,5.334 v1(18.542,5.334) 18.549,5.327 20.708,5.327 20.828,5.207 21.767,5.207 22.553,4.421 LQ4.3@23.41,4.421
EXP_INT_RAW: LQ4.1 LR40.2 LU9.32 | length 28.1
  Top Layer w0.152: v1(25.82,1.709) 27.852,1.709 28.443,2.301 29.332,2.301 30.729,3.698 30.729,3.902 32.319,5.492 v1(32.319,5.55) ; LR40.2@38.567,4.816 38.728,4.977 38.906,4.977 39.02,5.092 v1(39.101,5.092) ; v1(46.833,6.871) 46.833,6.603 46.844,6.592 46.844,6.217 46.833,6.205 46.833,5.598 LU9.32@47.057,5.375
  Bottom Layer w0.152: LQ4.1@24.06,2.521 24.06,2.456 24.218,2.298 24.283,2.298 24.872,1.709 v1(25.82,1.709) ; v1(32.319,5.55) 32.357,5.588 38.07,5.588 38.417,5.241 38.737,5.241 38.83,5.148 39.044,5.148 v1(39.101,5.092) 39.154,5.144 39.554,5.144 39.651,5.241 39.787,5.241 40.271,5.725 43.551,5.725 44.743,6.916 45.759,6.916 45.804,6.871 v1(46.833,6.871)
EXP_RESET: LR39.2 LU1.11 LU9.28 | length 44.1
  Top Layer w0.152: LU1.11@19.004,10.171 19.004,8.816 19.249,8.571 19.249,7.398 LR39.2@19.801,6.847 ; v1(19.224,4.865) 19.224,5.796 19.652,6.224 19.652,6.698 LR39.2@19.801,6.847 ; LR39.2@19.851,6.847 LR39.2@19.801,6.847 ; v1(25.44,2.177) 27.277,2.177 27.993,2.892 29.289,2.892 31.408,5.011 31.408,5.28 31.995,5.867 v1(31.995,6.268) ; v1(48.854,9.054) 48.797,8.997 48.797,8.619 48.654,8.476 48.654,6.3 48.99,5.965 48.99,5.442 LU9.28@49.057,5.375
  Bottom Layer w0.152: v1(19.224,4.865) 21.678,4.865 22.733,3.81 23.719,3.81 25.228,2.301 25.235,2.301 25.359,2.177 v1(25.44,2.177) ; v1(31.995,6.268) 32.076,6.349 32.232,6.349 32.233,6.35 33.304,6.35 33.344,6.31 33.72,6.31 33.76,6.35 40.423,6.35 43.105,9.032 44.92,9.032 45.251,9.363 48.464,9.363 48.773,9.054 v1(48.854,9.054)
FUEL_INT: LQ3.3 LR20.2 LU1.39 | length 10.1
  Top Layer w0.152: LQ3.3@10.076,7.97 9.917,8.129 9.917,8.72 9.85,8.787 9.85,9.091 9.667,9.274 9.667,12.715 10.018,13.066 10.018,13.866 11.44,15.288 13.289,15.288 LU1.39@13.338,15.337
FUEL_INT_RAW: LQ3.1 LR16.2 LU6.C1 | length 4.3
  Top Layer w0.152: v1(8.797,4.413) 8.797,4.494 8.926,4.623 8.926,5.539 9.233,5.847 9.267,5.847 9.426,6.005 LQ3.1@9.426,6.07
  Bottom Layer w0.152: LU6.C1@8.335,2.1 8.343,2.108 8.343,3.606 LR16.2@8.352,3.614 ; LR16.2@8.335,3.739 8.787,4.191 8.787,4.404 v1(8.797,4.413)
GND: LC1.2 LC2.2 LC3.2 LC4.2 LC5.2 LC6.2 LC7.1 LC8.2 LC9.2 LC10.2 LC11.2 LC12.2 LC13.2 LC14.2 LC15.2 LC16.2 LC17.2 LC18.2 LC19.2 LC20.2 LC21.2 LC22.2 LC23.2 LC24.2 LC25.2 LC26.2 LC27.2 LC28.2 LC29.2 LC30.2 LC31.2 LC32.2 LC33.2 LC34.2 LC35.2 LC36.2 LC37.2 LC38.2 LC39.2 LC41.2 LC42.2 LC43.2 LC44.2 LC45.2 LC46.2 LCN1.10 LCN2.A12 LCN2.B12 LCN3.0 LCN3.3 LCN4.0 LCN5.MP1 LCN5.MP2 LD2.2 LE1.2 LQ1.2 LQ3.2 LQ4.2 LQ5.2 LR8.2 LR10.2 LR13.2 LR14.1 LR15.1 LR19.2 LR21.2 LR22.2 LR25.2 LR26.2 LR27.2 LR28.2 LR36.2 LR42.2 LR43.2 LR46.1 LR48.2 LR49.2 LSW1.3 LSW1.4 LSW2.MP1 LSW2.MP2 LTP13.1 LU1.49 LU2.2 LU2.9 LU2.17 LU2.18 LU2.23 LU2.24 LU2.EPAD LU3.2 LU4.5 LU4.10 LU4.12 LU4.13 LU4.15 LU4.16 LU5.4 LU5.5 LU5.8 LU5.17 LU6.A2 LU6.B2 LU6.C2 LU7.2 LU7.15 LU8.2 LU9.25 LU9.26 LU9.33 LU10.8 LU10.14 LU10.17 LU10.20 LU10.21 LX1.2 LX1.4 pad.1@0,0 pad.1@46.108,15.804 pad.1@63.611,0.079 pad.1@-19.287,13.671 | length 1.7
  Top Layer w0.178: LCN1.10@0.807,7.695 0.86,7.747 0.86,8.17 v1(0.903,8.214)
  Bottom Layer w1.25: 64.014,9.999 64.053,9.519 64.054,9.513 LE1.2@64.11,8.833
  other v1: 58.036,-4.411 56.182,-4.184 59.933,-2.765 53.027,-2.733 2.152,-2.327 3.939,-2.203 59.475,-1.974 14.492,-1.857 60.943,-1.649 35.051,-1.35 2.954,-1.317 52.143,-1.26 17.32,-1.24 60.141,-1.172 4.316,-0.958 58.205,-0.958 59.475,-0.831 56.4,-0.799 37.333,-0.719 6.367,-0.68 17.067,-0.531 60.437,-0.427 59.729,-0.069 52.705,0 45.657,0.029 10.049,0.047 55.644,0.112 16.079,0.131 36.379,0.204 29.173,0.245 32.7,0.599 8.578,0.811 60.567,0.933 20.867,0.947 56.808,0.947 57.697,0.947 17.941,1.046 40.257,1.125 43.366,1.308 24.382,1.329 23.107,1.422 5.412,1.624 28.747,1.786 -2.532,1.927 49.911,2.032 31.066,2.11 61.175,2.104 48.006,2.159 60.497,2.294 11.215,2.344 17.434,2.547 16.041,2.627 4.297,2.651 58.514,2.671 59.318,2.708 -1.289,2.871 25.395,2.928 23.46,2.977 32.067,2.997 60.999,3.03 -2.12,3.061 61.686,3.05 41.04,3.089 65.41,3.114 13.233,3.195 39.024,3.2 36.024,3.347 58.586,3.36 60.15,3.421 33.08,3.444 34.033,3.43 35.043,3.461 64.489,3.464 59.352,3.532 16.577,3.589 20.507,3.592 15.048,3.606 19.203,3.64 29.017,3.65 1.467,3.726 2.558,3.709 65.016,4.185 58.573,4.326 49.083,4.429 50.071,4.478 56.55,4.618 1.255,4.727 -2.298,4.876 7.318,4.872 64.917,4.901 61.126,5.011 62.142,5.138 41.542,5.271 2.092,5.286 13.928,5.457 10.212,5.598 17.98,5.587 54.222,5.648 60.559,5.65 39.46,5.725 61.6,5.754 31.098,5.811 62.602,5.847 23.148,5.96 65.058,6.092 58.236,6.121 59.957,6.124 15.855,6.157 42.794,6.216 33.532,6.763 39.291,6.843 9.09,6.887 18.957,6.884 59.893,6.97 17.334,7.023 53.657,7.065 6.529,7.088 -1.427,7.212 58.244,7.238 51.182,7.671 52.821,7.677 54.157,7.735 23.003,7.918 59.81,7.946 45.635,8.194 18.782,8.233 2.579,8.313 49.162,8.342 54.522,8.567 56.554,8.567 13.948,8.585 3.686,8.713 59.739,8.752 9.21,8.78 47.465,8.849 28.638,8.868 36.407,8.986 39.742,9.163 60.467,9.175 61.399,9.248 62.367,9.371 1.04,9.424 26.423,9.478 63.416,9.478 43.876,9.553 64.318,9.569 64.887,9.588 10.203,9.699 41.706,9.791 11.81,9.823 59.739,9.862 56.554,10.218 61.634,10.472 6.89,10.567 54.522,10.599 60.237,10.726 64.809,10.726 63.412,10.853 3.329,10.954 -17.524,10.988 -1.962,11.04 1.471,11.044 11.636,11.212 -15.468,11.232 -3.771,11.234 6.189,11.259 60.916,11.477 -11.351,11.665 40.113,11.715 62.235,11.709 30.718,11.735 32.277,11.73 33.971,11.749 53.705,11.825 59.83,11.865 64.725,11.899 -7.285,12.118 -16.352,12.152 48.798,12.195 63.412,12.377 -13.55,12.504 -1.462,12.702 24.949,12.774 23.271,12.84 11.364,12.866 -9.717,12.979 53.67,12.987 1.309,13.012 64.629,13.097 -11.518,13.139 2.96,13.139 -6.401,13.158 9.499,13.211 30.796,13.244 32.666,13.242 62.397,13.365 60.567,13.407 63.691,13.559 4.61,13.626 -15.582,13.901 56.206,14.174 30.864,14.208 54.879,14.259 -7.391,14.323 -4.61,14.324 36.917,14.341 64.522,14.385 1.182,14.409 2.833,14.536 40.509,14.594 21.484,14.641 52.168,14.703 9.484,14.917 59.139,14.907 60.126,15.031 41.925,15.09 60.868,15.106 39.4,15.166 7.063,15.451 36.879,15.541 -1.37,15.626 -14.82,15.679 11.762,15.754 54,15.779 -9.613,15.806 58.215,15.817 -16.909,15.917 64.274,15.994 29.583,16.175 22.513,16.257 27.207,16.395 63.159,16.397 -18.305,16.64 3.173,16.694 10.809,16.694 9.088,16.744 5.881,17.076 -14.425,17.094 0.29,17.296 -11.289,17.371 40.953,17.439 36.843,17.463 48.774,17.446 31.391,17.488 61.287,17.535 21.289,17.596 -8.153,17.686 59.367,17.799 12.364,17.892 33.509,17.901 -3.458,18.081 56.504,18.118 40.992,18.137 54.386,18.407 6.004,18.642 30.478,18.709 8.499,18.733 28.383,18.787 11.828,18.817 12.948,18.885 14.962,18.919 20.974,18.936 17.808,18.951
  other v2: 62.396,3.02 63.474,3.202 59.176,4.184 61.474,4.572 62.176,4.572 63.356,4.602 60.476,4.886 63.802,4.914 58.536,5.188 59.933,5.423 63.638,5.722 59.412,6.487 59.412,7.4 36.754,12.512
I2C_CLK/BOOT: LCN1.7 LR1.2 LSW1.1 LSW1.2 LTP10.1 LTP15.1 LU1.23 LU2.19 LU4.4 LU6.B1 LU9.29 | length 145.4
  Top Layer w0.152: LU2.19@0.039,14.724 -0.366,15.129 -2.238,15.129 -3.249,14.117 -3.249,9.788 -3.249,9.776 -2.724,2.947 -1.935,2.159 1.883,2.159 2.146,2.422 v1(2.226,2.422) ; v1(4.132,8.196) 4.142,8.196 LCN1.7@4.381,7.957 ; LTP15.1@7.913,17.203 8.275,16.84 v1(8.275,15.769) 8.275,15.22 8.509,14.986 8.509,14.097 8.303,13.891 8.303,6.937 8.556,6.684 8.556,6.112 v1(8.572,6.096) ; LU1.23@20.17,15.837 20.221,15.888 20.567,15.888 20.872,16.192 20.872,16.318 v1(20.929,16.375) 21.01,16.375 21.205,16.18 21.209,16.18 21.209,15.591 21.987,14.813 22.422,14.813 23.788,13.446 23.788,12.414 23.243,11.869 23.243,9.424 24.384,8.283 24.384,6.165 24.4,6.149 24.4,5.984 v1(24.457,5.927) 24.457,4.967 24.117,4.626 23.192,4.626 22.848,4.282 22.848,3.242 v1(22.85,3.24) ; LTP10.1@41.441,11.996 41.696,11.74 43.444,11.74 43.727,11.458 43.727,10.829 v1(43.695,10.798) 44.45,10.043 44.45,6.827 43.975,6.353 43.929,6.353 43.302,5.725 42.091,5.725 41.78,6.035 41.78,6.253 LU4.4@41.687,6.347 ; LU9.29@48.553,5.015 48.488,5.08 48.488,5.959 48.299,6.148 48.299,9.583 v1(49.315,10.599)
  Bottom Layer w0.152: v1(2.226,2.422) 2.57,2.078 5.678,2.078 6.897,0.86 ; v1(4.132,8.196) 4.181,8.147 5.867,8.147 6.718,7.671 ccw(c7.073,8.307) 6.768,7.645 7.11,7.488 v1(8.572,6.096) 8.589,6.096 8.901,6.408 13.379,6.408 13.379,6.373 13.557,6.196 v1(14.041,6.196) 14.087,6.15 14.602,6.15 LR1.2@14.648,6.104 ; v1(8.275,15.769) 11.081,15.769 11.88,16.568 19.676,16.568 19.948,16.297 20.323,16.297 20.399,16.372 20.926,16.372 v1(20.929,16.375) ; LU6.B1@8.335,1.7 7.737,1.7 6.897,0.86 ; v1(22.85,3.24) 20.797,3.24 20.637,3.08 14.419,3.08 13.083,1.744 13.083,1.569 12.949,1.435 12.773,1.435 10.394,-0.944 7.506,-0.944 6.897,-0.335 6.897,0.86 ; v1(24.457,5.927) 24.815,6.285 28.821,6.285 29.122,6.586 29.807,6.586 31.281,8.059 39.258,8.059 39.603,8.405 40.056,8.405 40.501,8.849 40.501,9.302 41.996,10.798 v1(43.695,10.798) 46.38,10.798 46.579,10.599 v1(49.315,10.599)
I2C_DATA: LR2.2 LTP12.1 LU1.34 LU2.20 LU4.6 LU6.A1 LU9.30 | length 111.9
  Top Layer w0.152: -2.369,5.588 -1.844,5.063 -1.844,4.391 -2.159,4.076 v1(-2.159,4.064) ; -2.369,5.588 cw(c-2.261,5.696) -2.413,5.681 -2.899,10.834 cw(c-2.747,10.848) -2.9,10.856 -2.743,14.141 -2.135,14.749 -0.901,14.749 -0.406,14.254 0.055,14.254 LU2.20@0.083,14.226 ; v1(2.201,3.182) 2.281,3.182 2.554,2.91 ; 2.555,2.91 2.729,2.735 2.729,1.269 3.206,0.791 LTP12.1@3.206,-0.715 3.225,-0.715 4.36,-1.85 6.996,-1.85 7.833,-1.013 7.833,-0.498 v1(7.786,-0.45) ; LU1.34@15.004,17.003 15.055,17.054 15.055,17.341 15.372,17.658 20.511,17.658 21.743,16.426 21.743,15.692 22.317,15.117 22.634,15.117 22.723,15.028 24.252,13.499 24.252,9.282 25.235,8.299 25.235,8.235 25.274,8.196 25.274,7.032 25.489,6.816 v1(25.489,6.794) ; v1(21.347,6.882) 21.064,6.6 21.064,4.782 21.202,4.644 21.202,4.312 21.364,4.151 v1(21.364,4.074) ; LU4.6@42.412,7.072 42.44,7.044 42.827,7.044 43.213,6.657 43.849,6.657 44.089,6.897 44.089,8.586 43.115,9.56 v1(43.115,11.265) ; v1(47.506,11.058) 47.587,11.058 47.859,10.786 47.872,10.786 47.994,10.664 47.994,5.438 LU9.30@48.057,5.375
  Bottom Layer w0.152: v1(-2.159,4.064) -2.573,3.65 -2.573,2.873 -1.887,2.187 1.206,2.187 v1(2.201,3.182) ; LU6.A1@8.335,1.3 7.786,0.751 v1(7.786,-0.45) 10.456,-0.45 11.597,0.692 11.597,0.957 12.529,1.888 12.629,1.888 14.863,4.122 21.315,4.122 v1(21.364,4.074) ; v1(21.347,6.882) 21.391,6.838 25.365,6.838 25.409,6.794 28.899,6.794 29.224,7.119 29.579,7.119 30.9,8.44 39.11,8.44 39.38,8.71 39.93,8.71 40.196,8.975 40.196,9.526 41.935,11.265 v1(43.115,11.265) 43.119,11.26 46.977,11.26 47.122,11.115 47.45,11.115 v1(47.506,11.058)
LIGHT_ANALOG: LC12.1 LQ2.2 LR13.1 LU1.5 | length 23.2
  Top Layer w0.178: LQ2.2@9.449,18.452 9.671,18.23 9.671,16.421 8.915,15.665 v1(8.915,9.885) 8.915,9.285 8.743,9.113 8.743,7.961 v1(9.763,6.942) ; v1(16.004,6.916) LU1.5@16.004,10.17
  Bottom Layer w0.178: LR13.1@8.421,10.16 8.471,10.16 8.694,9.937 8.838,9.937 8.866,9.964 8.915,9.964 8.942,9.937 9.041,9.937 9.043,9.939 9.39,9.939 LC12.1@9.415,9.964 ; v1@8.832,9.93 8.851,9.93 8.896,9.885 v1(8.915,9.885) ; v1(9.763,6.942) 9.796,6.974 15.945,6.974 v1(16.004,6.916)